# Altium PCB PCB For InkLCD2.PcbDoc
Units mm, origin at the board's own origin, x right, y up, seen from the top; angles counter-clockwise.
Board outline 46.69 x 34.16 mm, 2 copper layers (Top Layer, Bottom Layer), stack 1.18 mm thick; 44 components, 47 nets, 180 pads, 51 vias.
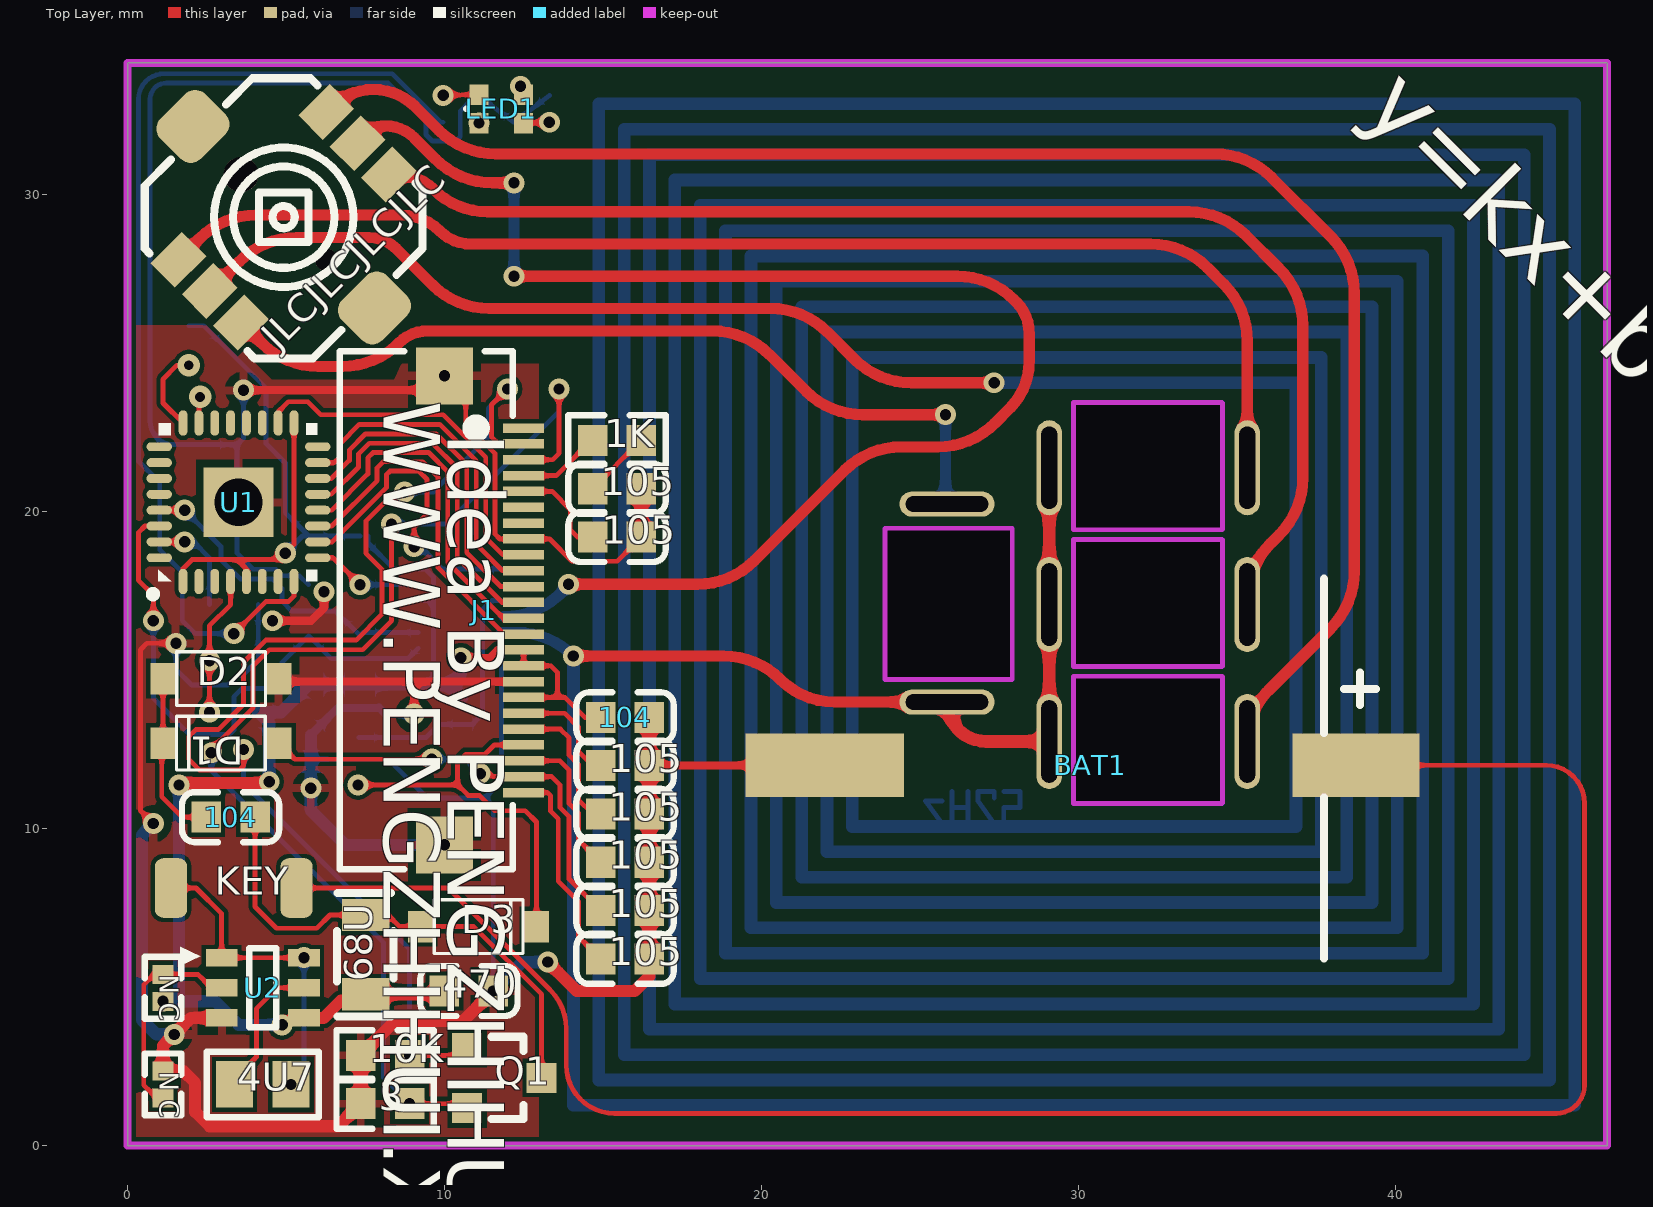
[diagram p0: Top Layer view]
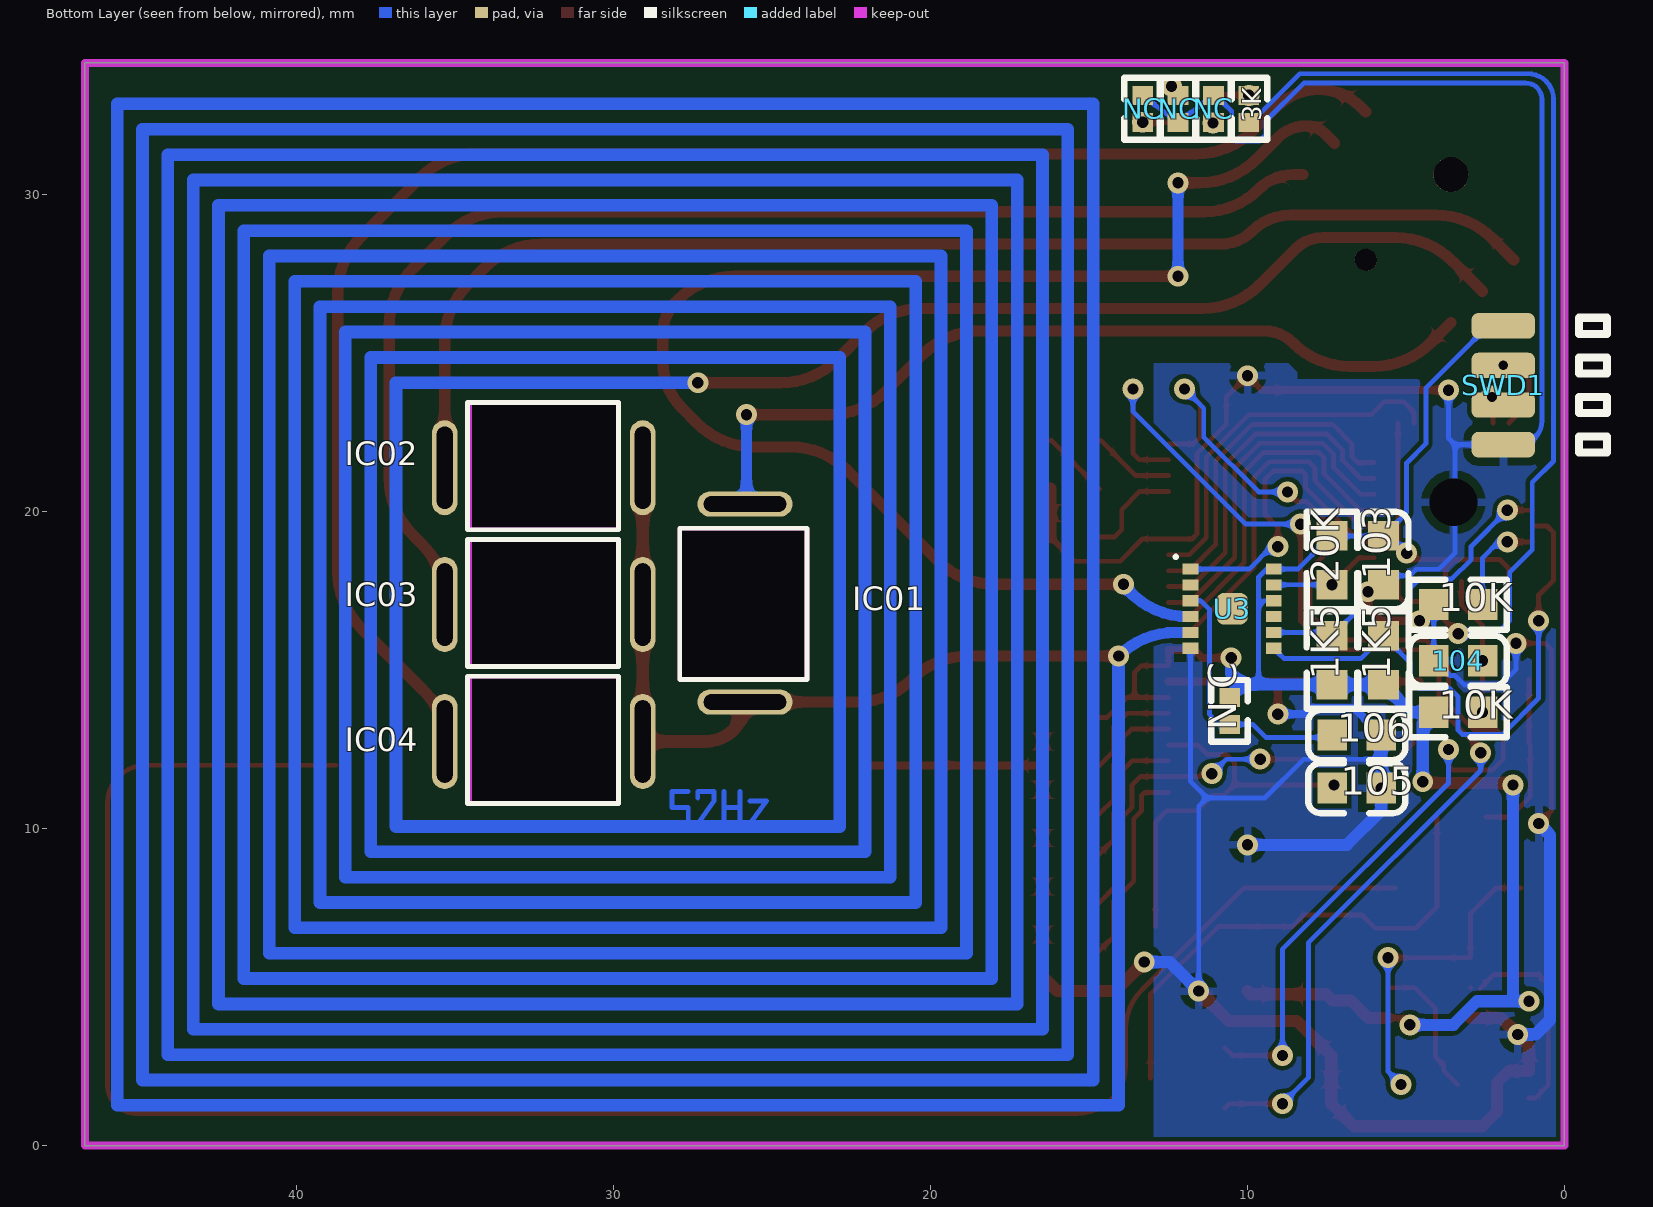
[diagram p1: Bottom Layer view, seen from below]
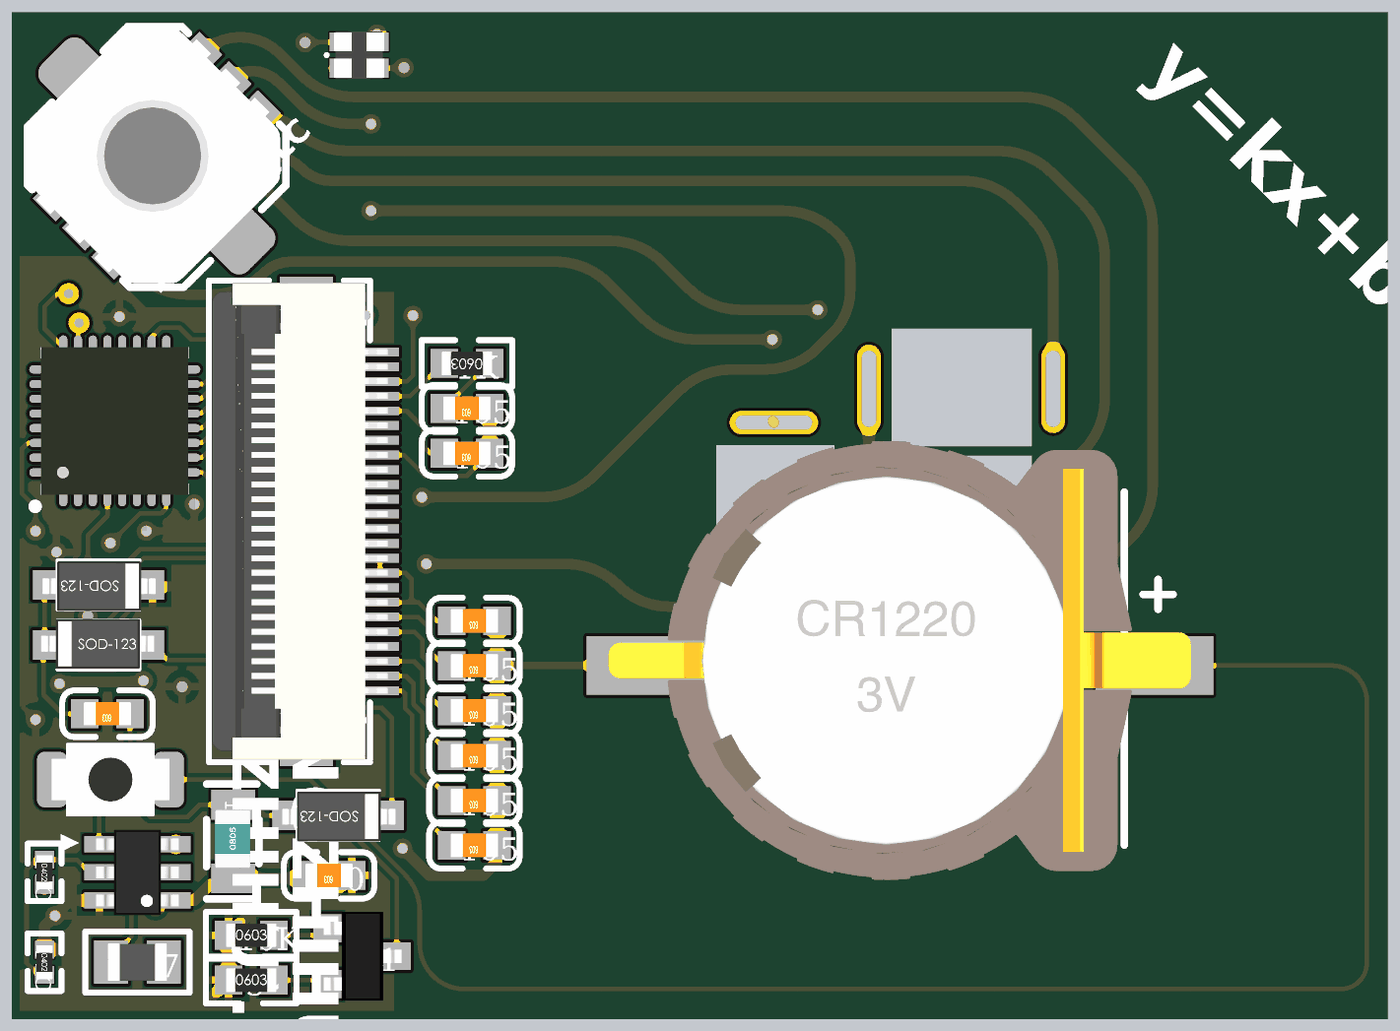
[diagram p2: 3D render of the assembled board from above, using the file's embedded part models]
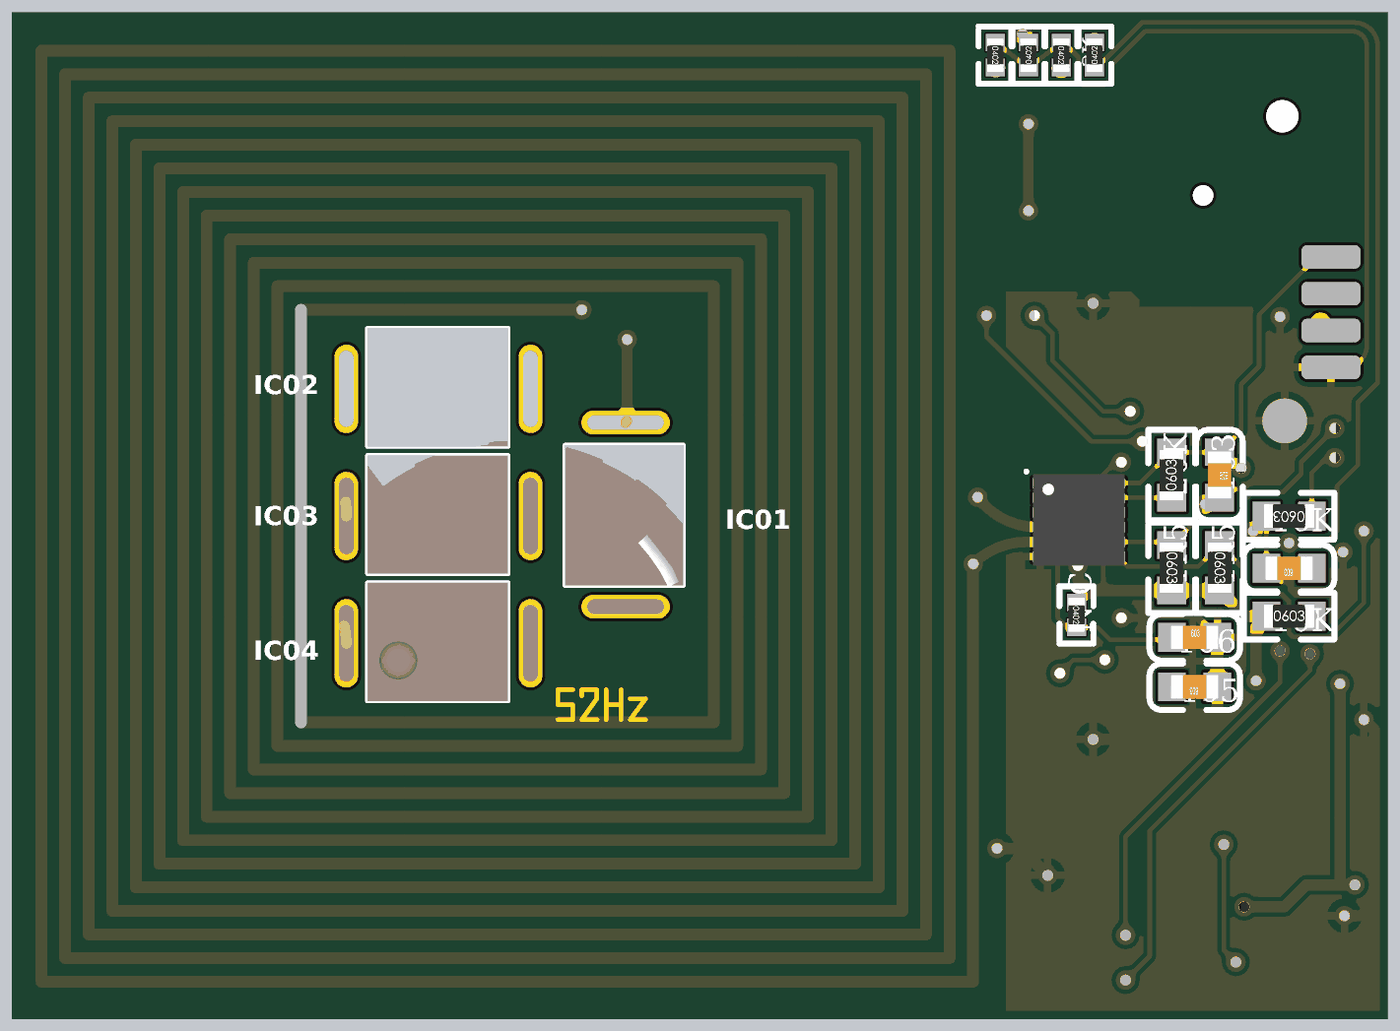
[diagram p3: 3D render of the assembled board from below, using the file's embedded part models]

## Layer stack, top to bottom
Top Solder: solder mask 0.0102, Solder Resist, Dk 3.5
Top Layer: signal copper 0.0356
Dielectric 1: dielectric 1.1086, FR-4, Dk 4.8
Bottom Layer: signal copper 0.0356
Bottom Solder: solder mask 0.0102, Solder Resist, Dk 3.5

## Board outline
0,0 0,34.163 46.685,34.163 46.685,0
cut-out: 29.845,10.795 34.615,10.795 34.615,14.81 29.845,14.81
cut-out: 29.845,15.113 34.615,15.113 34.615,19.128 29.845,19.128
cut-out: 29.845,19.431 34.615,19.431 34.615,23.446 29.845,23.446
cut-out: 23.899,19.482 23.899,14.712 27.915,14.712 27.915,19.482

## Design rules (kind name [scope] priority, off if disabled: settings)
Clearance [All] p1: gap=0.14 ignorepadtopadclearanceinfootprint=FALSE except(0: Arc-Hole Track-Hole SMDPad-Hole THPad-Hole Via-Hole Fill-Hole Poly-Hole Region-Hole Text-Hole)
PolygonConnect [All] p1: connectstyle=Relief reliefconductorwidth=0.254 reliefentries=4 polygonreliefangle="90 Angle" airgapwidth=0.254
RoutingVias [All] p1: holewidth=0.305 width=0.66 viastyle="Through Hole" minholewidth=0.305 minwidth=0.66 maxholewidth=0.711 maxwidth=1.27
SolderMaskExpansion [All] p1: expansion=0.102
Width [All] p1: maxlimit=0.508 minlimit=0.152 preferedwidth=0.152
30 further rules are at their usual default settings.

## Classes and differential pairs
component class "SCH For InkLCD": 475 C1 C2 C3 C4 C5 C6 C8 C9 C10 C11 C12 C13 C14 D1 D2 D3 K1 L1 L2 LED1 "N C" Q1 R1 R2 R6 R7 R8 R9 R10 R11 R12 R13 R14 R15 R16 U1 U2 U3

## Components (designator, comment, footprint, x,y, rotation, side; value= is the part's Value field where it differs from the comment)
1K "1KΩ (1001) ±1%" LC-0603_R 15.443,22.25 r180 top (schematic designator R10)
1K5 "1K5 (1005) ±1%" LC-0603_R 5.711,15.316 r270 bottom (schematic designator R11)
1K5 "1K5 (1005) ±1%" LC-0603_R 7.336,15.316 r270 bottom (schematic designator R12)
3 "3Ω ±1%" LC-0603_R 8.128,1.321 r0 top (schematic designator R15)
3K "3KΩ (3001) ±1%" LC-0402_R 9.957,32.715 r90 bottom (schematic designator R2)
4U7 "4.7uH ±10%" LC-0805_L 4.267,1.93 r180 top (schematic designator L1)
10K "10KΩ (1002) ±1%" LC-0603_R 3.353,13.674 r180 bottom locked (schematic designator R1)
10K "10KΩ (1002) ±1%" LC-0603_R 3.353,17.069 r0 bottom locked (schematic designator R6)
10K "10KΩ (1002) ±1%" LC-0603_R 8.128,2.845 r0 top (schematic designator R13)
20K "20KΩ (2002) ±1%" LC-0603_R 7.336,18.466 r90 bottom (schematic designator R14)
68U "68uH" 0805L 7.498,4.734 r90 top (schematic designator L2)
103 "10nF (103) 10% 50V" LC-0603_C 5.711,18.466 r270 bottom (schematic designator C12)
104 "100nF (104) 10% 50V" LC-0603_C 3.353,15.299 r0 bottom locked (schematic designator C1)
104 "100nF (104) 10% 50V" LC-0603_C 15.697,13.513 r180 top (schematic designator C2)
104 "100nF (104) 10% 50V" LC-0603_C 3.251,10.363 r180 top (schematic designator C4)
105 "1uF (105) 10% 50V" LC-0603_C 15.443,20.726 r180 top (schematic designator C3)
105 "1uF (105) 10% 50V" LC-0603_C 15.443,19.202 r180 top (schematic designator C5)
105 "1uF (105) 10% 50V" LC-0603_C 6.553,11.278 r0 bottom (schematic designator C6)
105 "1uF (105) 10% 50V" LC-0603_C 15.697,11.989 r180 top (schematic designator C8)
105 "1uF (105) 10% 50V" LC-0603_C 15.697,10.465 r180 top (schematic designator C10)
105 "1uF (105) 10% 50V" LC-0603_C 15.697,8.941 r180 top (schematic designator C11)
105 "1uF (105) 10% 50V" LC-0603_C 15.697,7.417 r180 top (schematic designator C13)
105 "1uF (105) 10% 50V" LC-0603_C 15.697,5.893 r180 top (schematic designator C14)
106 "10uF (106) 10% 10V" LC-0603_C 6.553,12.954 r180 bottom (schematic designator C9)
470 "4.7uF (475) 10% 16V" LC-0603_C 10.77,4.877 r180 top (schematic designator C7)
BAT1 "CR1220" CR1220-B 38.764,12 r0 top locked
D1 "B5819W" SOD-123 4.724,12.7 r180 top locked
D2 "B5819W" SOD-123 1.168,14.732 r0 top locked
D3 "B5819W" SOD-123 9.296,6.909 r0 top
J1 "Ink" FPC0.5-24P 9.999,16.891 r270 top locked
KEY "KEY" SW_PB_SMD_3.5x5 3.353,8.128 r0 top (schematic designator K1)
LED1 "RGB" RGB-16X16MM 11.786,32.715 r180 top
"N C" "0Ω (0R0) ±1%" LC-0402_R 1.118,1.93 r270 top (schematic designator R7)
"N C" "0Ω (0R0) ±1%" LC-0402_R 1.118,4.978 r270 top (schematic designator R8)
"N C" "0Ω (0R0) ±1%" LC-0402_R 10.566,13.716 r270 bottom (schematic designator R9)
NC "0Ω (0R0) ±1%" LC-0402_R 11.074,32.715 r270 bottom (schematic designator R3)
NC "0Ω (0R0) ±1%" LC-0402_R 13.31,32.715 r270 bottom (schematic designator R4)
NC "0Ω (0R0) ±1%" LC-0402_R 12.192,32.715 r90 bottom (schematic designator R5)
Q1 "SSP61CN4802MR" SOT23_3 11.887,2.134 r180 top
SWD1 "HDR-1X4" "MX 1.25-LS-4P" -0.33,24.007 r90 bottom locked
U1 "STM32L051K8U6" QFN32_5X5 3.5,20.3 r90 top locked
U2 "TPS61221DCKT" SOT23_6 4.267,4.978 r0 top
U3 "ST25DV16K" UFDFPN12 10.486,16.942 r180 bottom locked
? "Comment" SW-SMD_5WAY 4.925,29.295 r225 top locked

## Footprints (in the part's own frame and the unit in brackets; to place one, negate y for a bottom-side part, rotate by r counter-clockwise, add the part's x,y. Pads: shape width x height; smd on the part's side, far side on the other; paste and mask are expansions set on the pad)
0805L [mm] "小功率贴片电感"
  rect 1.016x1.5 smd: 1(0.041,-0.02) 2(2.541,-0.02)
  silkscreen extent -0.66,-0.89 3.24,0.89, body extent 0.38,-0.6 2.38,0.6, height 0.9
CR1220-B [mm]
  rect 4x2 smd: 1(0,0)
  rect 5x2 smd: 2(-16.764,0)
  silkscreen extent -1.02,-6.1 0.64,5.89, body extent -18.51,-7.28 1.24,7.62, height 4.05
FPC0.5-24P [mm]
  rect 1.8x1.8 smd: 0(-7.4,0) 0(7.4,0)
  rect 0.3x1.3 smd: 1(-5.75,2.497) 2(-5.25,2.497) 3(-4.75,2.497) 4(-4.25,2.497) 5(-3.75,2.497) 6(-3.25,2.497) 7(-2.75,2.497) 8(-2.25,2.497) 9(-1.75,2.497) 10(-1.25,2.497) 11(-0.75,2.497) 12(-0.25,2.497) 13(0.25,2.497) 14(0.75,2.497) 15(1.25,2.497) 16(1.75,2.497) 17(2.25,2.497) 18(2.75,2.497) 19(3.25,2.497) 20(3.75,2.497) 21(4.25,2.497) 22(4.75,2.497) 23(5.25,2.497) 24(5.75,2.497)
  silkscreen extent -8.18,-3.3 8.18,2.16, body extent -8.1,-3.2 8.1,2.8, height 2
LC-0402_R [mm]
  rect 0.6x0.65 smd mask+0.051: 1(-0.425,0) 2(0.425,0)
  silkscreen extent -0.97,-0.58 0.97,0.58, body extent -0.57,-0.27 0.58,0.28, height 0.41
LC-0603_C [mm]
  rect 0.93x0.98 smd: 1(-0.77,0) 2(0.77,0)
  silkscreen extent -1.53,-0.79 1.54,0.79, body extent -0.8,-0.4 0.8,0.4, height 0.3
LC-0603_R [mm]
  rect 0.93x0.98 smd: 1(-0.77,0) 2(0.77,0)
  silkscreen extent -1.53,-0.79 1.54,0.79, body extent -0.85,-0.4 0.85,0.4, height 0.56
LC-0805_L [mm]
  rect 1.16x1.47 smd: 1(-0.89,0) 2(0.89,0)
  silkscreen extent -1.77,-1.04 1.77,1.03, body extent -1.02,-0.64 1.03,0.64, height 0.6
"MX 1.25-LS-4P" [mm] "长：9.75m，宽：3.7mm，高：4.7mm"
  rrect50% 0.8x2 smd: 1(-1.889,2.261) 2(-0.639,2.261) 3(0.611,2.261) 4(1.861,2.261)
  silkscreen extent -2.14,-1.02 2.12,-0.13
QFN32_5X5 [mm]
  oval 0.8x0.28 smd: 1(-2.5,1.75) 2(-2.5,1.25) 3(-2.5,0.75) 4(-2.5,0.25) 5(-2.5,-0.25) 6(-2.5,-0.75) 7(-2.5,-1.25) 8(-2.5,-1.75) 17(2.5,-1.75) 18(2.5,-1.25) 19(2.5,-0.75) 20(2.5,-0.25) 21(2.5,0.25) 22(2.5,0.75) 23(2.5,1.25) 24(2.5,1.75)
  oval 0.28x0.8 smd: 9(-1.75,-2.5) 10(-1.25,-2.5) 11(-0.75,-2.5) 12(-0.25,-2.5) 13(0.25,-2.5) 14(0.75,-2.5) 15(1.25,-2.5) 16(1.75,-2.5) 25(1.75,2.5) 26(1.25,2.5) 27(0.75,2.5) 28(0.25,2.5) 29(-0.25,2.5) 30(-0.75,2.5) 31(-1.25,2.5) 32(-1.75,2.5)
  rect 2.2x2.2 smd: 33(0,0)
  silkscreen extent -3,-2.5 2.5,2.8, body extent -2.51,-2.5 2.51,2.52, height 0.75
RGB-16X16MM [mm] "EVERLIGHT，C264514"
  rect 0.6x0.65 smd mask+0.05: 1(-0.7,-0.45) 2(0.7,-0.45) 3(-0.7,0.45) 4(0.7,0.45)
  silkscreen extent 1.05,-0.05 1.15,0.05, body extent -0.85,-0.8 0.85,0.8, height 0.35
SOD-123 [mm] "塑封二极管"
  rect 0.8x1 smd: A(-0.051,0) K(3.607,0)
  silkscreen extent 0.38,-0.85 3.18,0.85, body extent -0.12,-0.89 3.73,0.81, height 1.43
SOT23_3 [mm]
  rect 0.95x0.95 smd: 1(1.175,-0.95) 2(1.175,0.95) 3(-1.175,0)
  silkscreen extent -0.6,-1.3 0.4,1.3, body extent -1.34,-1.5 1.3,1.5, height 1.08
SOT23_6 [mm]
  rect 1x0.55 smd: 1(-1.3,0.95) 2(-1.3,0) 3(-1.3,-0.95) 4(1.3,-0.95) 5(1.3,0) 6(1.3,0.95)
  silkscreen extent -2.6,-1.25 0.43,1.3, body extent -1.4,-1.45 1.4,1.45, height 1.45
SW-SMD_5WAY [mm]
  rect 1.4x1.1 smd: 1(-3.3,1.4) 2(-3.3,0) 3(-3.3,-1.4) 4(3.3,1.4) 5(3.3,0) 6(3.3,-1.4)
  rrect50% 2x1.8 smd: 7(0,-4.05) 8(0,4.05)
  round 0.7 hole 0.7 unplated: ""(0,1.9)
  round 1.1 hole 1.1 unplated: ""(0,-1.9)
  silkscreen extent -3.7,-3.8 3.8,3.8, body extent -3.75,-3.75 3.95,3.55, height 6
SW_PB_SMD_3.5x5 [mil] "KEY小贴片"
  rrect50% 40x74 smd: 1(-78,0) 2(78,0)
  body extent -79,-49 79,49, height 63
UFDFPN12 [mm] "ST25DV16K-JFR6D3射频芯片"
  rect 0.5x0.35 smd: 1(-1.315,1.25) 2(-1.315,0.75) 3(-1.315,0.25) 4(-1.315,-0.25) 5(-1.315,-0.75) 6(-1.315,-1.25) 7(1.315,-1.25) 8(1.315,-0.75) 9(1.315,-0.25) 10(1.315,0.25) 11(1.315,0.75) 12(1.315,1.25)
  rrect50% 1x1 smd: 13(0,0)
  silkscreen extent -1.83,1.59 -1.73,1.69, body extent -1.55,-1.55 1.55,1.55, height 0.55

## Part data
1K 1K5 1K5: library part "0603 1KΩ (1001) 1%", "贴片电阻"
3: library part "0603 300Ω (3000) 1%", "贴片电阻"
3K: library part "0603 3KΩ (3001) 1%", "贴片电阻"
4U7: library part "0603 4.7uH 10%", "贴片电感"
10K 10K 10K: library part "0603 10KΩ (1002) 1%", "贴片电阻"
20K: library part "0603 20KΩ (2002) 1%", "贴片电阻"
68U: library part INDUCTOR, "INDUCTOR"
103: library part "0603 10nF (103) 10% 50V", "贴片电容"
104 104 104: library part "0603 100nF (104) 10% 50V", "贴片电容"
105 105 105 105 105 105 105 105: library part "0603 1uF (105) 10% 50V", "贴片电容"
106: library part "0603 10uF (106) 10% 10V", "贴片电容"
470: library part "0603 4.7uF (475) 10% 16V", "贴片电容"
D1 D2 D3: library part DIODE, "普通二极管"
J1: library part FPC0.5-24P, "贴片"
LED1: library part RGB1616, "RGB,SMD16x16mm"
"N C" "N C" "N C" NC NC NC: library part "0603 0Ω (0R0) 1%", "贴片电阻"
Q1: library part N-MOS, "N沟道场效应管"
SWD1: library part "Header 4", "4P接插件"
U2: "TI-3V3稳压芯片"
U3: "NFC读写芯片"

## Free pads (board coordinates)
  round 1 hole 1.5: 2(3.5,20.3)
  oval 3x0.8 hole 0.5 slot 2.6 at 0 deg: 2(25.857,13.995) 2(25.857,20.244)
  oval 0.8x3 hole 0.5 slot 2.6 at 90 deg: 2(29.083,12.753) 2(29.083,17.071) 2(29.083,21.389) 2(35.331,12.753) 2(35.331,17.071) 2(35.331,21.389)

## Via types
v1: diameter 0.66, hole 0.356, Top Layer to Bottom Layer, 49 vias
v2: diameter 0.711, hole 0.305, Top Layer to Bottom Layer, 2 vias

## Nets (pads, with @x,y where several pads share a name; then routed paths per layer and width w, separated by ;. In a path a pad name is that pad's centre, name@x,y a point inside that pad or via, vN(x,y) a via of type N, cw(c..) or ccw(c..) an arc to the next point about the centre after c; other vN are vias at no path point)
3V3_BUS: 1K5.2 10K.1@4.123,13.674 20K.2 68U.1 103.1 104.2@14.927,13.513 470.2 "N C.1"@10.566,14.141 "N C.2"@1.118,4.553 J1.15 J1.16 J1.18 SWD1.4 U1.1 U1.5 U1.17 U2.4 U3.10 U3.12 | length 63.2
  Top Layer w0.152: U1.1 1.75,18.209 2.032,18.491 3.454,18.491 ; U1.5 3.75,18.196 3.454,18.491 ; v1(4.877,3.81) 5.095,4.028 U2.4 ; U1.17 5.25,18.966 v1(4.978,18.694) 4.775,18.491 3.454,18.491 ; J1.18 13.564,14.141 ; J1.15 J1.16 13.358,15.141 13.564,14.935 13.564,14.141 ; 104.2@14.673,13.513 14.427,13.513 13.799,14.141 13.564,14.141
  Top Layer w0.254: v1(10.516,15.392) 11.43,15.392 11.679,15.641 J1.15
  Top Layer w0.381: v1(1.626,11.379) 1.689,11.443 4.432,11.443 v1(4.47,11.481) ; U2.4 6.187,4.028 6.731,4.572 7.315,4.572 68U.1 9.898,4.775 470.2
  Bottom Layer w0.152: SWD1.4 2.4,25.868 4.369,23.899 4.369,22.149 4.978,21.539 4.978,19.968 103.1 ; v1(4.978,18.694) 5.52,19.236 103.1 ; 20K.2 103.1 ; 20K.2@7.587,19.236 7.587,19.013 8.408,18.192 U3.12 9.401,18.192 9.652,17.941 9.652,17.018 ; U3.10 9.478,17.192 9.652,17.018 ; 9.652,14.546 9.652,17.018
  Bottom Layer w0.381: v1(1.118,4.553) 2.762,4.553 3.505,3.81 v1(4.877,3.81) ; 1.626,4.572 v1(1.626,11.379) ; v1(4.47,11.481) 4.47,13.326 4.123,13.674 4.838,13.674 5.711,14.546 7.336,14.546 9.652,14.546 10.161,14.546 ; v1(10.516,15.392) 10.516,14.901 10.161,14.546 ; 10.566,14.141 10.161,14.546
ANT: ?.5 pad.2@25.857,13.995 pad.2@29.083,12.753 pad.2@29.083,17.071 pad.2@29.083,21.389 U3.5 | length 1137.4
  Top Layer w0.356: ?.5 3.537,27.907 cw(c5.333,26.111) 5.333,28.651 7.62,28.651 cw(c7.62,27.425) 8.487,28.292 9.619,27.16 ccw(c11.415,28.956) 11.415,26.416 20.284,26.416 cw(c20.284,23.876) 22.08,25.672 22.938,24.814 ccw(c24.734,26.61) 24.734,24.07 v1(27.345,24.07) ; v1(14.066,15.448) 18.806,15.448 cw(c18.806,12.908) 20.602,14.704 ccw(c22.313,16.414) 22.313,13.995 pad.2@25.857,13.995
  Top Layer w0.4: pad.2@25.857,13.995 ccw(c27.1,13.995) 27.1,12.753 29.083,12.753 29.083,17.071 pad.2@29.083,21.389
  Bottom Layer w0.152: 25.182,10.16 25.705,10.16 ; 25.705,10.871 25.182,10.871 25.705,10.16 ; 26.01,11.176 26.01,10.668 ; 26.518,11.176 26.518,10.668 ; 27.345,10.973 27.345,11.176 26.837,11.176 26.837,10.871 27.345,10.16 ; 27.65,11.176 28.158,11.176 28.158,10.668 27.65,10.668 27.65,10.16 ; 28.158,10.16 27.65,10.16 ; 25.705,10.16 26.01,10.16 ; 26.01,10.16 26.01,10.668 ; 26.01,10.16 26.518,10.16 ; 26.01,10.668 26.518,10.668 ; 26.518,10.16 26.518,10.668 ; 26.518,10.16 27.345,10.16 ; 27.345,10.16 27.65,10.16
  Bottom Layer w0.356: U3.5 12.27,16.192 cw(c12.27,13.652) v1(14.066,15.448) v1@14.069,15.445
  Bottom Layer w0.4: v1@14.069,15.445 14.069,1.27 45.669,1.27 45.669,32.87 14.869,32.87 14.869,2.07 44.869,2.07 44.869,32.07 15.669,32.07 15.669,2.87 44.069,2.87 44.069,31.27 16.469,31.27 16.469,3.67 43.269,3.67 43.269,30.47 17.269,30.47 17.269,4.47 42.469,4.47 42.469,29.67 18.069,29.67 18.069,5.27 41.669,5.27 41.669,28.87 18.869,28.87 18.869,6.07 40.869,6.07 40.869,28.07 19.669,28.07 19.669,6.87 40.069,6.87 40.069,27.27 20.469,27.27 20.469,7.67 39.269,7.67 39.269,26.47 21.269,26.47 21.269,8.47 38.469,8.47 38.469,25.67 22.069,25.67 22.069,9.27 37.669,9.27 37.669,24.87 22.869,24.87 22.869,10.07 36.869,10.07 36.869,24.07 v1(27.345,24.07)
ANTIC01: ?.4 pad.2@25.857,20.244 | length 26.7
  Top Layer w0.356: ?.4 4.222,25.331 ccw(c6.018,27.127) 6.018,24.587 6.771,24.587 ccw(c6.771,27.127) 8.567,25.331 cw(c9.469,24.429) 9.469,25.705 18.455,25.705 cw(c18.455,23.165) 20.251,24.961 21.405,23.807 ccw(c23.201,25.603) 23.201,23.063 v1(25.806,23.063)
  Bottom Layer w0.356: v1(25.806,23.063) 25.806,20.366 ccw(c25.98,20.366) pad.2@25.857,20.244
ANTIC02: ?.6 pad.2@35.331,21.389 | length 40.1
  Top Layer w0.356: ?.6 2.268,28.618 cw(c4.064,26.822) 4.064,29.362 8.636,29.362 cw(c8.636,27.645) 9.85,28.86 ccw(c10.844,29.853) 10.844,28.448 32.273,28.448 cw(c32.273,25.908) 34.069,27.704 34.587,27.185 cw(c32.791,25.389) 35.331,25.389 pad.2@35.331,21.389
ANTIC03: ?.1 pad.2@35.331,17.071 | length 40.3
  Top Layer w0.356: ?.1 8.532,30.639 cw(c8.532,29.055) 9.652,30.175 ccw(c11.369,31.892) 11.369,29.464 33.492,29.464 cw(c33.492,26.924) 35.288,28.72 36.34,27.668 cw(c34.544,25.872) 37.084,25.872 37.084,21.067 cw(c34.544,21.067) 36.34,19.271 36.075,19.007 ccw(c37.871,17.21) 35.331,17.21 pad.2@35.331,17.071
ANTIC04: ?.3 pad.2@35.331,12.753 | length 50.9
  Top Layer w0.356: ?.3 6.423,32.773 cw(c7.754,31.442) 7.754,33.325 cw(c7.754,31.442) 9.086,32.773 9.822,32.037 ccw(c11.619,33.833) 11.619,31.293 34.305,31.293 cw(c34.305,28.753) 36.101,30.549 37.966,28.684 cw(c36.17,26.888) 38.71,26.888 38.71,18.121 cw(c36.17,18.121) 37.966,16.325 35.995,14.354 ccw(c37.595,12.753) pad.2@35.331,12.753
ANTNFC: ?.2 U3.4 | length 46.6
  Top Layer w0.356: ?.2 7.573,31.943 cw(c8.135,31.381) 8.135,32.176 8.137,32.176 cw(c8.137,30.895) 9.042,31.802 ; 9.042,31.801 9.721,31.122 ccw(c11.517,32.918) 11.517,30.378 v1(12.192,30.378) ; v1(12.192,27.432) 26.177,27.432 cw(c26.177,24.892) 27.973,26.688 28.042,26.619 cw(c27.06,25.638) 28.448,25.638 28.448,24.725 cw(c26.399,24.725) 27.848,23.276 27.363,22.791 cw(c25.567,24.587) 25.567,22.047 24.42,22.047 ccw(c24.42,19.507) 22.624,21.303 19.777,18.456 cw(c17.981,20.252) 17.981,17.712 v1(13.916,17.712)
  Bottom Layer w0.356: U3.4@11.88,16.692 ccw(c11.88,19.232) v1(13.916,17.712) ; v1(12.192,27.432) v1(12.192,30.378)
GDR: 10K.2@8.898,2.845 J1.2 Q1.1 | length 38.1
  Top Layer w0.152: v1(3.658,12.497) 3.658,11.989 3.518,11.849 2.273,11.849 1.93,12.192 1.93,12.903 2.155,13.127 2.859,13.127 3.658,13.926 3.658,15.247 4.362,15.951 7.214,15.951 8.026,16.764 8.026,18.186 7.518,18.694 7.518,19.704 8.135,20.32 8.433,20.32 v1(8.738,20.625) ; v1(8.898,2.845) 10.473,2.845 Q1.1 ; v1(11.989,23.876) 11.481,23.368 11.481,22.365 11.705,22.141 J1.2
  Bottom Layer w0.152: v1(3.658,12.497) 3.658,11.43 8.898,6.19 v1(8.898,2.845) ; v1(8.738,20.625) 9.652,20.625 11.379,22.352 11.379,23.266 v1(11.989,23.876)
GND: 3.1 10K.1@7.358,2.845 10K.2@4.123,17.069 103.2 104.1@16.467,13.513 104.2@4.123,15.299 105.1 106.2 470.1 "N C.1"@1.118,2.355 BAT1.2 D2.K J1.0 J1.8 J1.17 NC.1 pad.2@3.5,20.3 SWD1.1 U1.33 U2.3 U3.6 | length 152
  Top Layer w0.152: v1(0.813,10.16) 0.406,10.566 0.406,15.646 0.61,15.85 v1(1.524,15.85) ; J1.0@9.546,23.838 v1(9.999,24.291) 10.668,23.622 10.668,22.765 11.592,21.841 11.592,19.301 11.752,19.141 J1.8 13.32,19.141 14.021,18.44 15.451,18.44 105.1@16.213,19.202 ; 105.1@16.467,11.989 105.1@16.478,12
  Top Layer w0.254: v1(3.658,23.838) J1.0@9.546,23.838 ; D2.K@4.572,14.641 9.042,14.641 ; v1(4.572,16.561) 5.791,16.561 6.198,16.967 v1(6.198,17.475) ; v1(9.042,13.614) 9.042,14.641 ; J1.17 9.042,14.641 ; 105.1@16.478,12 BAT1.2
  Top Layer w0.381: U2.3 1.996,4.028 v1(1.473,3.505) 1.118,3.15 1.118,2.355 1.759,2.355 2.134,1.981 2.134,1.067 2.591,0.61 6.647,0.61 3.1 7.358,2.845 8.45,3.937 10.6,3.937 v1(11.54,4.877) ; v1(13.259,5.791) 14.173,4.877 16.002,4.877 16.467,5.342 16.467,5.893 16.467,7.417 16.467,8.941 16.467,10.465 16.467,11.989 104.1@16.467,13.513 ; 105.1@16.213,19.202 105.1@16.213,20.726
  Bottom Layer w0.152: v1(1.524,15.85) 1.524,15.037 2.032,14.529 3.15,14.529 3.454,14.834 3.609,14.834 4.075,15.299 4.123,15.299 10K.2@4.123,17.069 ; v1(3.658,23.838) 3.658,22.321 3.454,22.118 ; 103.2 5.423,17.983 4.882,17.983 4.679,18.186 3.962,18.186 3.454,18.694 3.454,22.118 ; 5.783,12.192 8.23,12.192 9.449,10.973 11.278,10.973 ; v1(11.54,4.877) 11.54,10.711 11.278,10.973 ; U3.6 11.801,11.496 11.278,10.973 ; NC.1@13.31,33.14 12.192,32.29 11.074,33.14 10.994,33.14 10.498,32.644 10.498,31.834 10.363,31.699 9.617,31.699 9.416,31.901 9.416,32.338 8.226,33.528 1.219,33.528 ccw(c1.219,33.02) 0.711,33.02 0.711,22.86 ccw(c1.453,22.86) 1.453,22.118 SWD1.1 3.454,22.118
  Bottom Layer w0.254: 106.2 6.644,13.814 7.937,13.814 7.94,13.818 8.143,13.614 v1(9.042,13.614)
  Bottom Layer w0.381: v1(0.813,10.16) 0.457,9.804 0.457,3.962 0.914,3.505 v1(1.473,3.505) ; 106.2 5.783,12.192 v1(5.783,11.278) 5.783,10.574 6.867,9.491 v1(9.999,9.491) ; v1(11.54,4.877) 12.454,5.791 v1(13.259,5.791)
INK_BUSY: J1.9 U1.18 | length 11.7
  Top Layer w0.152: U1.18 4.75,23.15 5.07,23.47 5.69,23.47 6.096,23.063 9.957,23.063 11.3,21.72 11.3,19.18 11.839,18.641 J1.9
INK_CLK: J1.13 U1.12 | length 11.4
  Top Layer w0.152: U1.12 6.436,20.05 7.582,21.196 7.582,21.704 7.747,21.869 9.498,21.869 10.1,21.268 10.1,18.399 11.858,16.641 J1.13
INK_CS: J1.12 U1.13 | length 11.1
  Top Layer w0.152: U1.13 6.428,20.55 7.29,21.412 7.29,21.825 7.626,22.162 9.619,22.162 10.4,21.381 10.4,18.556 11.815,17.141 J1.12
INK_DC: J1.11 U1.14 | length 10.9
  Top Layer w0.152: U1.14 6.426,21.05 6.998,21.621 6.998,21.946 7.505,22.454 9.74,22.454 10.7,21.494 10.7,18.713 11.772,17.641 J1.11
INK_MOSI: J1.14 U1.11 | length 11.5
  Top Layer w0.152: U1.11 6.444,19.55 7.874,20.98 7.874,21.387 8.064,21.577 9.309,21.577 9.8,21.086 9.8,18.232 11.891,16.141 J1.14
INK_RST: J1.10 U1.15 | length 10.7
  Top Layer w0.152: U1.15 6.513,21.55 6.706,21.742 6.706,22.149 7.315,22.758 9.849,22.758 11,21.607 11,18.972 11.831,18.141 J1.10
LED: 3K.1 U1.8 | length 32.4
  Top Layer w0.152: v1(3.353,16.154) 4.369,17.17 5.08,17.17 5.25,17.34 U1.8
  Bottom Layer w0.152: v1(3.353,16.154) 2.134,16.154 1.727,16.561 1.727,18.085 1.016,18.796 1.016,20.93 0.343,21.603 0.343,33.02 cw(c1.143,33.02) 1.143,33.82 8.347,33.82 9.876,32.29 3K.1
NetBAT1_1: BAT1.1 KEY.2 | length 62.1
  Top Layer w0.152: KEY.2 10.116,8.128 13.335,4.909 ; 13.336,4.908 cw(c12.11,3.683) 13.843,3.683 13.843,2.54 ccw(c15.367,2.54) 15.367,1.016 45.085,1.016 ccw(c45.085,1.905) 45.974,1.905 45.974,10.795 ccw(c44.769,10.795) 44.769,12 BAT1.1
NetC3_2: 1K.1 105.2@14.673,20.726 | length 2.2
  Top Layer w0.152: 105.2@14.673,20.726 16.197,22.25 1K.1
NetC4_2: 104.2@2.481,10.363 D1.K D2.A | length 5.4
  Top Layer w0.152: D2.A D1.K 1.079,12.662 1.079,11.011 1.727,10.363 104.2@2.481,10.363
NetL1_2: 4U7.2 U2.5 | length 4.4
  Top Layer w0.152: 4U7.2 3.81,2.363 3.81,2.54 4.064,2.794 4.064,4.318 4.724,4.978 U2.5
NetLED1_1: LED1.1 NC.2@12.192,33.14
  other v1: 12.395,33.426
NetLED1_2: 3K.2 LED1.2 | length 1.1
  Top Layer w0.152: v1(9.957,33.14) LED1.2
NetLED1_3: LED1.3 NC.2@13.31,32.29 | length 0.8
  Top Layer w0.152: LED1.3 v1(13.31,32.29)
NetLED1_4: LED1.4 NC.2@11.074,32.29
  other v1: 11.086,32.265
NetR6_1: 10K.1@2.583,17.069 U1.31 | length 3.3
  Top Layer w0.152: U1.31 v1(1.8,19.05)
  Bottom Layer w0.152: v1(1.8,19.05) 2.083,19.05 2.583,18.55 10K.1@2.583,17.069
NetR7_2: "N C.1"@1.118,5.403 "N C.2"@1.118,1.505 U2.2 | length 6.5
  Top Layer w0.152: 1.118,1.505 0.908,1.505 0.508,1.905 0.508,5.08 0.831,5.403 1.118,5.403 2.217,5.403 U2.2@2.667,4.953 ; U2.2@2.946,4.978 U2.2
NRST: 10K.2@2.583,13.674 104.1@2.583,15.299 U1.4 | length 4.4
  Top Layer w0.152: v1(2.583,13.674) v1(2.583,15.299) 2.583,16.4 3.25,17.068 U1.4
PREVGH: 105.2@7.323,11.278 D3.K J1.21 | length 12.4
  Top Layer w0.152: v1(7.272,11.379) 10.414,11.379 ; J1.21 11.574,12.641 11.278,12.344 10.668,12.344 10.414,12.09 10.414,11.379 ; D3.K 12.903,10.211 12.548,10.566 11.582,10.566 11.1,11.049 10.744,11.049 10.414,11.379
PREVGL: 105.2@14.927,7.417 D1.A J1.23 | length 13.9
  Top Layer w0.152: D1.A 5.283,12.192 v1(9.601,12.192) ; v1(11.125,11.735) 11.43,11.735 11.524,11.641 J1.23 13.378,11.641 13.64,11.379 13.64,10.672 13.932,10.38 13.932,8.412 105.2@14.927,7.417
  Bottom Layer w0.152: v1(9.601,12.192) 10.668,12.192 v1(11.125,11.735)
RESE: 3.2 J1.3 Q1.2 | length 37.5
  Top Layer w0.152: v1(2.642,12.395) 2.642,12.497 3.962,13.818 3.962,15.138 4.47,15.646 7.417,15.646 8.331,16.561 v1(8.331,19.609) ; v1(8.898,1.321) 10.575,1.321 Q1.2 ; J1.3 13.411,21.641 13.614,21.844 v1(13.614,23.876)
  Bottom Layer w0.152: v1(2.642,12.395) 2.642,11.836 8.077,6.401 8.077,2.142 v1(8.898,1.321) ; v1(8.331,19.609) 10.058,19.609 13.614,23.165 v1(13.614,23.876)
SCL: 1K5.1@7.336,16.086 U1.29 U3.8 | length 10.3
  Top Layer w0.152: U1.29 v1(1.8,20.05)
  Bottom Layer w0.152: v1(1.8,20.05) 2.946,18.904 2.946,18.491 3.556,17.882 4.57,17.882 4.877,17.575 4.877,17.17 5.182,16.866 6.557,16.866 7.336,16.086 7.442,16.192 U3.8
SDA: 1K5.1@5.711,16.086 U1.30 U3.7 | length 17.6
  Top Layer w0.152: v1(0.813,16.561) 0.813,17.374 0.343,17.843 0.343,19.343 0.55,19.55 U1.30
  Bottom Layer w0.152: v1(0.813,16.561) 0.813,14.122 1.968,12.968 3.214,12.968 3.353,13.106 3.353,14.164 3.616,14.427 4.572,14.427 4.877,14.732 4.877,15.252 5.711,16.086 6.43,15.367 8.846,15.367 U3.7
ST25_GPO: 20K.1 U1.9 U3.11 | length 3.5
  Top Layer w0.152: U1.9 6.482,18.55 v1(7.336,17.696)
  Bottom Layer w0.152: v1(7.336,17.696) 9.167,17.696 U3.11
ST25_LPD: U1.10 U3.1 | length 10.1
  Top Layer w0.152: U1.10 6.452,19.05 8.166,20.764 8.166,21.171 8.28,21.285 9.188,21.285 9.449,21.025 9.449,19.914 9.042,19.507 v1(9.042,18.898)
  Bottom Layer w0.152: v1(9.042,18.898) 9.246,18.898 9.951,18.192 U3.1
SW: 68U.2 104.1@4.021,10.363 D3.A Q1.3 | length 16
  Top Layer w0.152: 104.1@4.021,10.363 4.021,7.536 4.699,6.858 5.969,6.858 6.386,7.275 68U.2 8.219,7.275 8.585,6.909 D3.A 10.922,6.909 13.062,4.769 Q1.3
SWCLK: SWD1.3 U1.24 | length 2.6
  Top Layer w0.152: U1.24 1.118,23.432 1.118,24.181 1.555,24.618 v2(1.93,24.618)
SWDIO: SWD1.2 U1.23 | length 0.8
  Top Layer w0.152: U1.23 2.25,23.586 v2(2.286,23.622)
TSCL: J1.6
TSDA: J1.7
V_EN: 106.1 "N C.2"@10.566,13.291 U3.3 | length 8.2
  Bottom Layer w0.152: 106.1@7.294,12.878 9.423,12.878 9.837,13.291 10.566,13.291 10.878,13.291 11.202,13.615 11.202,16.917 11.477,17.192 U3.3
VBAT: 4U7.1 KEY.1 U2.1 U2.6 | length 10.1
  Top Layer w0.152: KEY.1 2.159,8.128 2.967,7.32 U2.1 v1(5.567,5.928)
  Bottom Layer w0.152: v1(5.157,1.93) 5.567,2.34 v1(5.567,5.928)
VCOM: 105.2@14.927,5.893 J1.24 | length 6.7
  Top Layer w0.152: J1.24 13.243,11.141 13.348,11.036 13.348,10.551 13.589,10.31 13.589,8.342 14.224,7.707 14.224,6.596 105.2@14.927,5.893
VGH: 105.2@14.673,19.202 J1.5 | length 3.1
  Top Layer w0.152: J1.5 13.395,20.641 13.97,20.066 13.97,19.431 14.199,19.202 105.2@14.673,19.202
VGL: 1K.2 J1.4 | length 2.6
  Top Layer w0.152: J1.4 13.521,21.141 14.63,22.25 1K.2
VPP: 105.2@14.927,11.989 J1.19 | length 3.3
  Top Layer w0.152: J1.19 13.791,13.641 14.224,13.208 14.224,12.438 105.2@14.673,11.989
VSH: 105.2@14.927,10.465 J1.20 | length 4.3
  Top Layer w0.152: J1.20 13.656,13.141 13.932,12.865 13.932,12.317 14.224,12.025 14.224,10.914 105.2@14.673,10.465
VSL: 105.2@14.927,8.941 J1.22 | length 4.9
  Top Layer w0.152: J1.22 13.64,12.141 13.932,11.849 13.932,10.793 14.224,10.501 14.224,9.644 105.2@14.927,8.941
pads on no net: ?. ?.7 ?.8 J1.1 U1.2 U1.3 U1.6 U1.7 U1.16 U1.19 U1.20 U1.21 U1.22 U1.25 U1.26 U1.27 U1.28 U1.32 U3.2 U3.9 U3.13

## Polygon pours and split planes (outlines as drawn)
GND on Top Layer "Top Layer-No Net" (solid, remove dead copper, pour order 0): -0.018,-0.018 12.968,-0.018 12.968,24.671 8.669,24.671 8.618,24.62 8.516,24.366 8.415,24.163 4.554,24.163 2.827,25.89 -0.018,25.89
GND on Bottom Layer "Top Layer-No Net" (solid, remove dead copper, pour order 2): 0,0 12.954,0 12.954,24.689 8.712,24.689 8.661,24.638 8.433,24.409 8.433,24.181 4.623,24.181 4.572,24.13 2.794,25.908 0,25.908

## Keep-outs
Keep-Out Layer:
  lines w0.152: 23.899,14.712 23.899,19.482 27.915,19.482 27.915,14.712 23.899,14.712 ; 29.845,10.795 34.544,10.795 34.544,14.81 29.845,14.81 29.845,10.795 ; 29.845,15.113 34.544,15.113 34.544,19.128 29.845,19.128 29.845,15.113 ; 29.845,19.431 34.544,19.431 34.544,23.446 29.845,23.446 29.845,19.431
  lines w0.254: 0,0 46.685,0 46.685,34.163 0,34.163 0,0

## Silkscreen, mask and mechanical layers (free items; w line width, h text height)
Top Overlay:
  text "y=kx+b" at 38.354,32.131 h3.81 r315
  text "JLCJLCJLCJLC" at 4.953,24.841 h1.52 r45
  text "WWW.PENGZHIHUI.XYZ" at 7.493,23.495 h3.05 r270
  text "Idea By PENGZHIHUI" at 9.525,22.479 h3.05 r270
Bottom Overlay:
  lines w0.152: 23.899,14.712 27.915,14.712 27.915,19.482 23.899,19.482 23.899,14.712 ; 29.845,10.795 29.845,14.81 34.615,14.81 34.615,10.795 29.845,10.795 ; 29.845,15.113 29.845,19.128 34.615,19.128 34.615,15.113 29.845,15.113 ; 29.845,19.431 29.845,23.446 34.615,23.446 34.615,19.431 29.845,19.431
  text "IC02" at 38.481,21.209 h1.27
  text "IC03" at 38.481,16.764 h1.27
  text "IC01" at 22.479,16.637 h1.27
  text "IC04" at 38.481,12.192 h1.27
Bottom Solder:
  lines w0.152: 25.182,10.16 25.705,10.16 25.182,10.871 25.705,10.871 ; 26.01,10.16 26.01,10.668 ; 26.01,11.176 26.01,10.668 ; 26.518,10.16 26.518,10.668 ; 26.518,11.176 26.518,10.668 ; 26.822,10.16 27.345,10.16 26.837,10.871 26.837,11.176 27.345,11.176 27.345,10.973 ; 27.65,11.176 28.158,11.176 28.158,10.668 27.65,10.668 27.65,10.16 28.158,10.16 ; 26.01,10.668 26.518,10.668